# Altium PCB DOAN2.PcbDoc (continued)
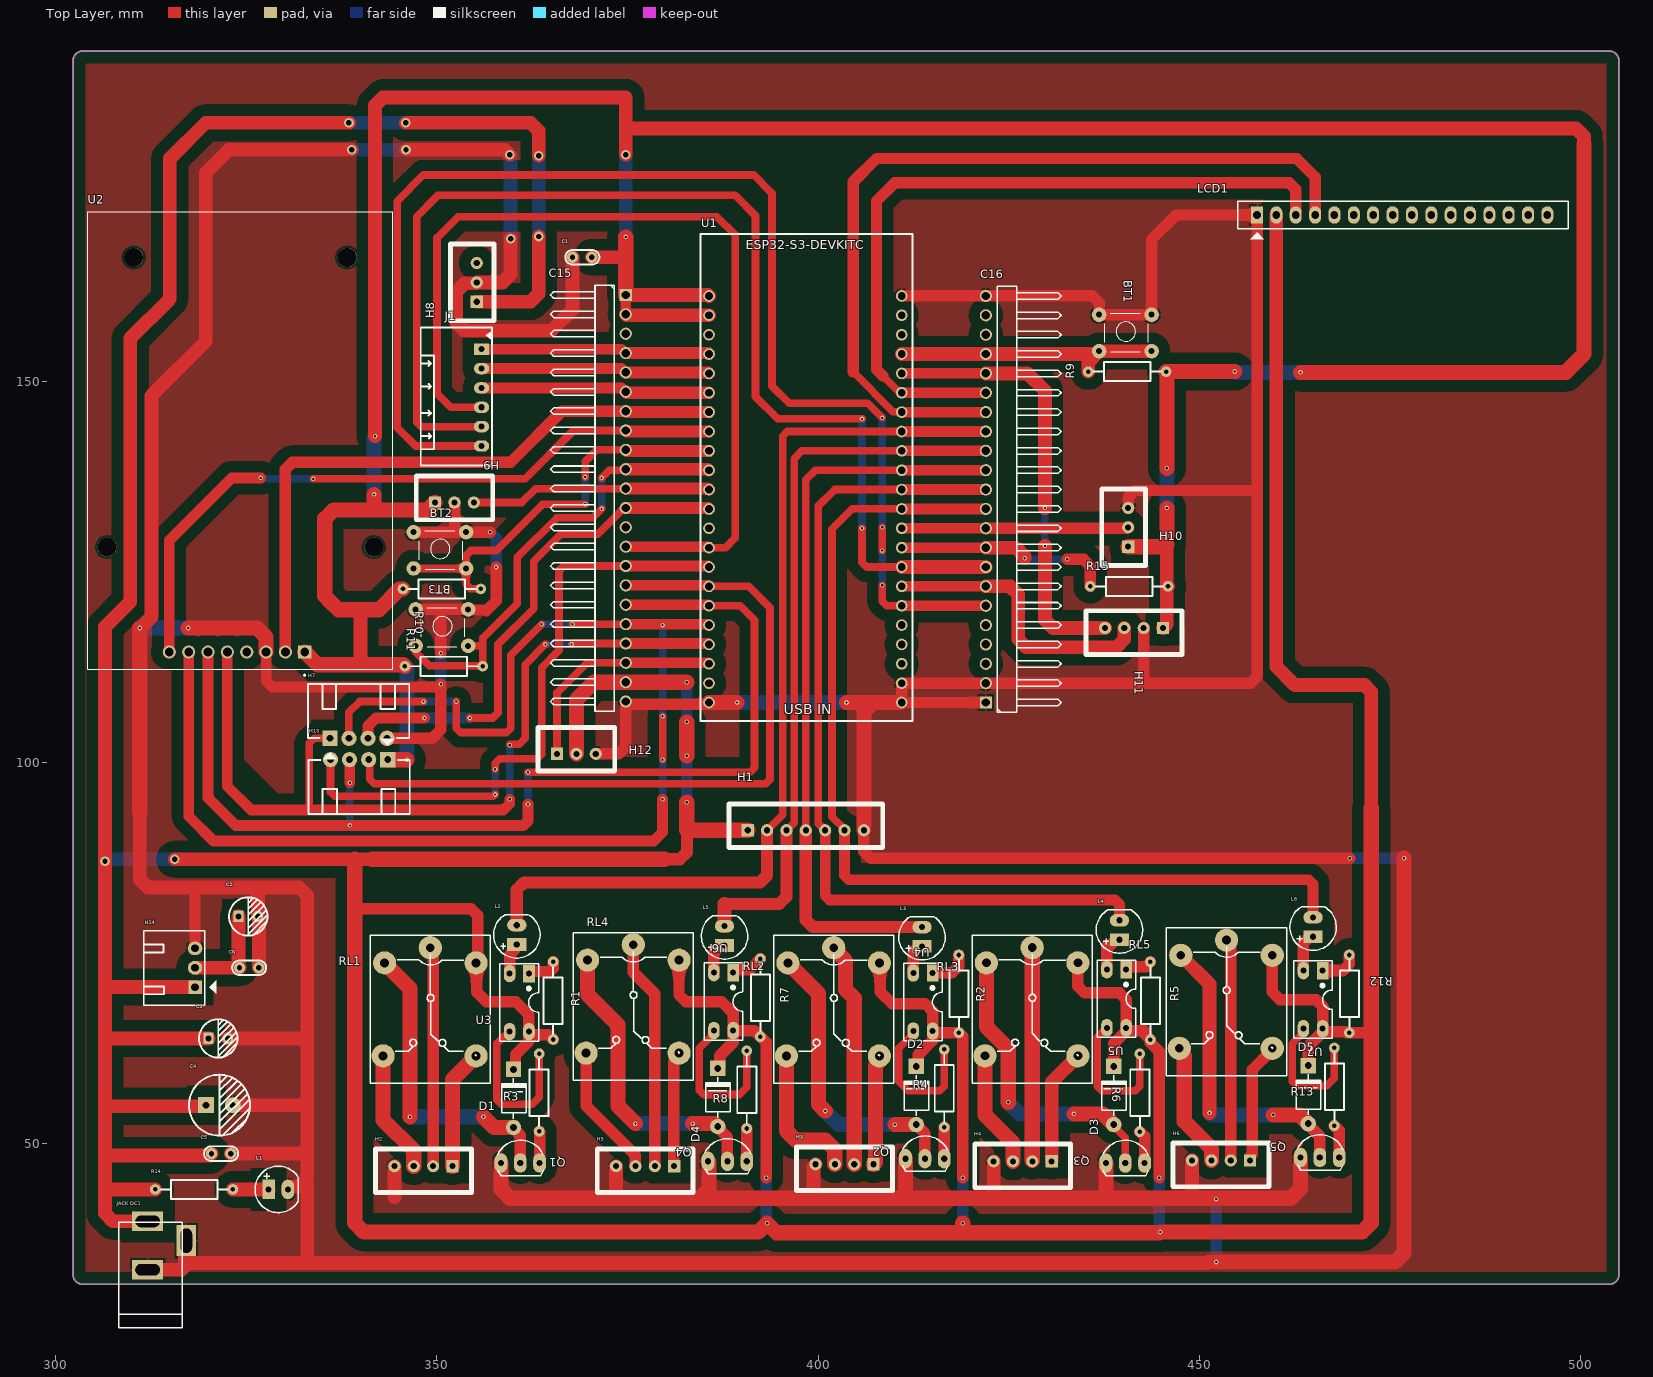
[diagram p0: Top Layer view]
## Part data
BT1 BT2 BT3: "Nut Nhan 4 Chan 6x6mm", Ma_Hang=MH004584, Ten="Nút Nhấn 4 Chân 6x6x5MM DIP"
C1 C5 C6: library part "Tu gom 104 50V", "Cắm", Chung_Loai=Cắm, Don_Vi=Con, Ma_Hang=MH004761, So_Chan=2, Ten_Linh_Kien="Tụ gốm 104 100nF 50V"
C2 C3: library part "Tu Hoa 22uF 35V 5x11", "Cắm", Chung_Loai=Cắm, Don_Vi=Con, Ma_Hang=MH001350, So_Chan=2, Ten_Linh_Kien="Tụ Hóa 22uF 35V 5x11MM"
C4: library part "Tu Hoa 470uF 16V 8x11", "Cắm", Chung_Loai=Cắm, Don_Vi=Con, Ma_Hang=MH006550, So_Chan=2, Ten_Linh_Kien="Tụ Hóa 470uF 16V 8x11MM"
C15 C16: "WR-PHD 2.54 mm Angled Socket Header", Manufacturer="W¨¹rth Elektronik eiSos GmbH", partNo=613022143121, ComponentLink1 Description=Manufacturer, ComponentLink1URL=http://www.we-online.com, ComponentLink2 Description=Datasheet, ComponentLink2URL=http://katalog.we-online.de/em/datasheet/6130xx143121.pdf, Created by="Karrer Zheng", Created Date="29 March 2013", NoPins=22
D1 D2 D3 D4 D5: library part "Diode 1N4007", "Cắm", Chung_Loai=Cắm, Don_Vi=Con, Ma_Hang=MH001063, Ten_Linh_Kien="Diode 1N4007 1A (DIP)"
H1 H2 H3 H4 H5 H6 H7 H8 H9 H10 H11 H12 H13 H14: "Cắm", Chung_Loai=Cắm, Don_Vi=Con
  H1: Ma_Hang=MH003369, Ten_Linh_Kien="Header 7P XH2.54-7P Đực Thẳng"
  H2 H3 H4 H5 H6 H11: Ma_Hang=MH001285, Ten_Linh_Kien="Header 4P XH2.54-4P Đực Thẳng"
  H7 H13: Ma_Hang=MH001310, Ten_Linh_Kien="Header 4P XH2.54-4P Đực Cong"
  H8 H9 H10 H12: Ma_Hang=MH001292, Ten_Linh_Kien="Header 3P XH2.54-3P Đực Thẳng"
  H14: Ma_Hang=MH001302, Ten_Linh_Kien="Header 3P XH2.54-3P Đực Cong"
J1: library part CON-PLG_6X1-100-RA-TH, "6 Pins, 1 Row 2.54mm Pitch, right angle Connector, male", Alternate Part Number-1=NA, Case/Package=TH-CON, Crimp Part Number=ASXHSXH22K51, Manufacturer=JST, Manufacturer Part Number=S6B-XH-A(LF)(SN), Mating Part Number=XHP-6, Supplier Part Number-1=S6B-XH-A(LF)(SN), Supplier-1=ARROW
L1 L2 L3 L4 L5 L6: library part "LED 5mm Do", "Cắm", Chung_Loai=Cắm, Don_Vi=Con, Ma_Hang=MH008967, Ten_Linh_Kien="Led 5MM Phủ Đỏ (1000c)"
LCD1: "LCD 1602 Xanh Lá", CHIP=HD44780, Ma_Hang=67HZ, NCC=NSHOP, Ten="Màn hình LCD 1602 Xanh Lá"
Q1 Q2 Q3 Q4 Q5: library part "Trans C1815 DIP", "NPN transistor"
R1 R2 R3 R4 R5 R6 R7 R8 R12 R13 R14: library part "Tro Vach 1/4W 5% 1k", "Cắm", Chung_Loai=Cắm, Don_Vi=Con, Ma_Hang=MH007390, So_Chan=2, Ten_Linh_Kien="Trở Vạch 1/4w 5% 1k"
R9 R10 R11: library part "Tro Vach 1/4W 1% 360R", "Cắm", Chung_Loai=Cắm, Don_Vi=Con, Ma_Hang=MH008835, So_Chan=2, Ten_Linh_Kien="Trở Vạch 1/4W 1% 360R"
R15: library part "Tro Vach 1/4W 5% 10k", "Căm", Chung_Loai=Cắm, Don_Vi=Con, Ma_Hang=MH007354, So_Chan=2, Ten_Linh_Kien="Trở Vạch 1/4w 5% 10K"
RL1 RL2 RL3 RL4 RL5: library part "Relay 5 Chan SRD", "Relay 5 Chan", Ma_Hang=MH009374, Ten="Relay 5V10A SRD-05VDC-SL-C Chính Hãng"
U1: "The ESP32-S3-DEVKITC-1U-N8R8 from Espressif Systems is an evaluation board designed for wireless communication applications. It features a 32-bit Xtensa dual-core processor running at 240MHz, providing strong processing power for complex tasks. The board", Package=None, Check_prices=https://www.snapeda.com/parts/ESP32-S3-DEVKITC-1U-N8R8/Espressif+Systems/view-part/?ref=eda, MF="Espressif Systems", MP=ESP32-S3-DEVKITC-1U-N8R8, SnapEDA_Link=https://www.snapeda.com/parts/ESP32-S3-DEVKITC-1U-N8R8/Espressif+Systems/view-part/?ref=snap
U2: library part CEG006900, "RFID RC522 Reader IC Card Module Tags SPI Interface Read and Write", Package=None, Availability="Not in stock", Check_prices=https://www.snapeda.com/parts/CEG006900/YKS/view-part/?ref=eda, MF=YKS, MP=CEG006900, Price=None, SnapEDA_Link=https://www.snapeda.com/parts/CEG006900/YKS/view-part/?ref=snap
U3 U4 U5 U6 U7: "Single Opto"

## Via types
v1: diameter 0.6, hole 0.3, Top Layer to Bottom Layer, 76 vias
v2: diameter 1.27, hole 0.711, Top Layer to Bottom Layer, 11 vias

## Nets (pads, with @x,y where several pads share a name; then routed paths per layer and width w, separated by ;. In a path a pad name is that pad's centre, name@x,y a point inside that pad or via, vN(x,y) a via of type N, cw(c..) or ccw(c..) an arc to the next point about the centre after c; other vN are vias at no path point)
3V3: C2.1 C6.1 H14.2 | length 12.4
  Top Layer w1.8: H14.2 C6.1 ; C6.1@323.977,73.152 C2.1
5V: "JACK DC1.1" C3.1 C4.1 C5.1 C15.21 D1.2 D2.2 D3.2 D4.2 D5.2 H1.1 H8.1 H12.2 H14.1 LCD1.2 R1.1 R2.1 R5.1 R7.1 R12.1 R14.2 RL1.5 RL2.5 RL3.5 RL4.5 RL5.5 U3.4 U4.4 U5.4 U6.4 U7.4 | length 965.7
  Top Layer w1.5: 339.217,80.772 354.467,80.772 355.346,79.893 355.346,73.87 RL1.5 355.219,73.565 355.219,69.84 356.479,68.58 360.313,68.58 362.072,66.82 U3.4@362.072,64.638 ; D1.2 360.311,59.956 360.311,61.607 362.072,63.368 U3.4@362.072,64.273 ; U3.4 U3.4@362.072,64.638 ; R1.1 364.602,64.257 362.088,64.257 U3.4@362.072,64.273 ; RL4.5 381.762,69.459 382.641,68.58 387.35,68.58 388.869,67.061 388.869,64.775 U6.4 ; D4.2 387.108,60.083 387.108,61.48 388.869,63.241 388.869,64.765 U6.4 ; v1(393.192,45.466) 393.192,63.226 391.648,64.77 U6.4 ; RL2.5 408.148,73.557 408.148,69.88 409.702,68.326 414.03,68.326 415.031,67.325 415.031,64.724 U4.4 ; D2.2 413.143,60.337 413.143,61.607 415.031,63.495 415.031,64.714 U4.4 ; v1(418.973,45.466) 418.973,64.009 R2.1 415.047,64.496 415.036,64.507 U4.4 ; RL3.5 434.096,70.602 434.974,69.723 439.557,69.723 440.436,68.844 U5.4 440.431,65.146 440.431,64.743 438.785,63.096 D3.2 ; U5.4@440.447,64.765 442.812,64.765 442.812,64.384 R5.1 443.611,63.187 444.754,62.044 v1(444.754,45.466) ; RL5.5 459.593,69.84 460.599,68.834 465.338,68.834 466.217,67.955 U7.4 466.212,65.019 466.212,64.616 464.312,62.715 D5.2 ; U7.4@466.217,64.649 466.228,64.638 469.228,64.638 469.37,64.496 R12.1 472.039,64.496 472.567,65.024 ; U3.4@362.072,64.273 U3.4@362.072,64.638
  Top Layer w1.6: 379.857,87.249 381.867,87.249 382.804,88.186 382.804,91.059
  Top Layer w1.8: 306.705,48.387 320.167,48.387 C5.1 ; 312.039,39.751 307.505,39.751 306.451,40.805 306.451,43.942 ; R14.2 306.451,43.942 ; v2(315.595,87.249) 339.217,87.249 341.503,87.249 ; H14.1 306.451,70.485 ; C4.1 319.565,54.841 306.451,54.841 ; C3.1 306.451,63.754 ; v2(338.455,183.896) 319.659,183.896 314.96,179.197 314.96,160.782 309.753,155.575 309.753,121.031 306.451,117.729 v2(306.451,86.995) 306.451,70.485 ; v2(345.903,183.896) 362.293,183.896 363.347,182.842 v2(363.347,179.578) ; H8.1 362.293,160.401 363.347,161.455 v2(363.347,168.966) ; LCD1.2 460.135,112.508 462.534,110.109 471.688,110.109 472.567,109.23 472.567,93.98 ; 306.451,43.942 306.451,48.387 306.451,54.841 ; 306.451,54.841 306.451,63.754 ; 306.451,63.754 306.451,70.485
  Top Layer w2: 339.217,87.249 339.217,80.772 339.217,79.121 339.217,78.242 339.217,39.526 340.389,38.354 392.176,38.354 v1(393.319,39.497) 394.56,38.256 418.973,38.256 ; 341.503,87.249 379.857,87.249 ; H12.2 368.3,108.204 370.586,110.49 C15.21 v1(382.778,110.49) ; v1(382.778,94.742) 382.778,91.085 382.804,91.059 H1.1 ; v1(382.778,100.838) v1(382.778,105.283) ; v1(418.973,39.497) 418.973,38.256 ; 472.567,93.98 472.567,65.024 472.567,39.526 471.395,38.354 v1(444.881,38.354) 444.783,38.256 418.973,38.256
  Bottom Layer w1.5: v1(382.778,94.742) v1(382.778,100.838) ; v1(382.778,105.283) v1(382.778,110.49) ; v1(393.192,45.466) 393.192,39.624 v1(393.319,39.497) ; v1(418.973,39.497) v1(418.973,45.466) ; v1(444.754,45.466) 444.754,38.481 v1(444.881,38.354)
  Bottom Layer w1.8: v2(306.451,86.995) 306.705,87.249 v2(315.595,87.249) ; v2(338.455,183.896) v2(345.903,183.896) ; v2(363.347,168.966) v2(363.347,179.578)
12V: H8.3
+3V3: C1.1 C15.1 C15.2 H9.1 H10.1 H11.1 H13.1 R9.1 R10.1 R11.1 R15.2 U1.VCC U2.1 | length 486.4
  Top Layer w1: C15.1 374.842,161.225 U1.VCC@385.635,161.225 ; C15.2@374.842,158.685 385.635,158.685 U1.VCC@385.699,158.621
  Top Layer w1.4: C15.2 C15.1
  Top Layer w1.8: 339.972,112.776 339.972,119.589 340.379,119.997 ; v1(341.884,142.748) 341.884,186.144 342.938,187.198 374.777,187.198 374.777,183.134 ; C1.1 374.65,166.243 374.777,166.116 ; C15.2 374.842,158.685 374.906,158.621 U1.VCC@385.699,158.621 ; C15.1 385.57,161.29 385.635,161.225 U1.VCC@385.699,161.161 ; v2(374.777,179.705) 374.777,183.134 ; H11.1 445.77,118.11 445.77,122.916 R15.2 445.77,123.21 445.77,128.27 445.77,129.442 ; 500.507,181.073 500.507,182.08 499.453,183.134 374.777,183.134
  Top Layer w2: U2.1 334.34,112.776 339.972,112.776 345.604,112.776 R11.1 ; v1(341.757,135.128) 341.757,133.096 ; H13.1 v1(346.075,100.33) ; R10.1 345.102,122.725 342.374,119.997 340.379,119.997 337.076,119.997 335.916,121.157 335.28,121.793 335.28,131.924 336.452,133.096 341.757,133.096 ; H9.1 348.783,133.096 341.757,133.096 ; C15.1 374.777,166.116 v1(374.777,168.91) ; H10.1 445.516,128.27 445.77,128.524 ; R9.1 445.681,151.257 v1(454.66,151.257) ; 445.77,129.442 v1(445.77,133.35) ; v1(445.77,138.557) R9.1@445.77,151.132 ; v1(463.296,151.13) 498.094,151.13 500.507,153.543 500.507,181.073
  Bottom Layer w1.8: v1(374.777,168.91) v2(374.777,179.705)
  Bottom Layer w2: v1(341.757,135.128) v1@341.757,142.621 ; R11.1 346.075,112.305 v1(346.075,100.33) ; v1(445.77,133.35) v1(445.77,138.557) ; v1(454.66,151.257) 454.787,151.13 v1(463.296,151.13)
"COM - 1": H2.2 RL1.1 | length 28.8
  Top Layer w1.5: RL1.1 349.13,75.235 349.504,74.861 H2.2@349.504,47.036
"COM - 2": H5.2 RL4.1 | length 30.2
  Top Layer w1.5: RL4.1 375.762,72.426 378.587,69.601 H5.2
"COM - 3": H3.2 RL2.1 | length 29.5
  Top Layer w2: RL2.1 402.051,75.5 403.592,73.959 403.592,70.197 404.749,69.04 H3.2
"COM - 4": H4.2 RL3.1 | length 28.1
  Top Layer w1.5: 428.233,55.383 428.371,55.245
  Top Layer w2: 428.096,55.383 RL3.1 ; H4.2@428.117,47.741 428.117,55.383
"COM - 5": H6.2 RL5.1 | length 29.1
  Top Layer w1.5: RL5.1 453.593,76.239 454.152,75.68 H6.2@454.152,47.798
DENAN: C16.13 H1.4 L3.2 U1.J3_10 | length 97.5
  Top Layer w1: H1.4 398.399,137.033 399.669,138.303 U1.J3_10
  Top Layer w1.4: U1.J3_10 C16.13
  Top Layer w1.6: H1.4 398.399,79.296 399.336,78.359 L3.2@413.605,78.359
DENBAO: C16.11 H1.6 L6.2 U1.J3_12 | length 133.7
  Top Layer w1: H1.6 403.479,91.183 401.828,92.834 401.828,130.556 404.495,133.223 407.864,133.223 407.894,133.253 408.97,133.253 409,133.223 U1.J3_12
  Top Layer w1.4: H1.6 403.479,85.168 404.065,84.582 464.361,84.582 464.947,83.996 L6.2 ; U1.J3_12 C16.11
DENKHACH: C16.12 H1.5 L4.2 U1.J3_11 | length 115.5
  Top Layer w1: H1.5 400.05,91.948 400.05,133.604 402.209,135.763 U1.J3_11
  Top Layer w1.4: H1.5 400.939,82.501 401.525,81.915 438.961,81.915 439.547,81.329 L4.2 ; U1.J3_11 C16.12
DENNGU: C16.14 H1.3 L5.2 U1.J3_9 | length 94.9
  Top Layer w1: H1.3 396.875,92.075 396.875,139.827 397.891,140.843 U1.J3_9
  Top Layer w1.4: U1.J3_9 C16.14
  Top Layer w1.6: 387.731,81.407 394.922,81.407 395.859,82.344 H1.3
  Top Layer w1.8: L5.2 387.731,81.407
DHT11: C16.10 H10.2 U1.J3_13 | length 29.8
  Top Layer w1.4: U1.J3_13 C16.10
  Top Layer w1.5: C16.10 440.536,130.683 440.663,130.81 H10.2
GAS_A0: C16.18 H11.4 U1.J3_5 | length 58.1
  Top Layer w1.4: U1.J3_5 C16.18
  Top Layer w1.8: C16.18 427.482,151.003 429.768,148.717 v1(429.768,133.35) ; v1(429.768,128.397) 429.768,118.656 430.822,117.602 H11.4
  Bottom Layer w1: v1(429.768,128.397) v1(429.768,133.35)
GAS_D0: C16.7 H11.3 U1.J3_16 | length 37.9
  Top Layer w1.4: U1.J3_16 C16.7
  Top Layer w1.8: C16.7 425.207,123.063 426.261,122.009 426.261,116.116 427.316,115.062 439.128,115.062 440.182,116.116 H11.3
GND: "JACK DC1.2" "JACK DC1.3" BT1.1 BT2.1 BT3.1 C1.2 C2.2 C3.2 C4.2 C5.2 C6.2 C15.22 C16.1 C16.2 C16.22 H1.7 H2.4 H3.4 H4.4 H5.4 H6.4 H7.4 H8.2 H9.2 H10.3 H11.2 H12.3 H14.3 L1.2 LCD1.1 Q1.1 Q2.1 Q3.1 Q4.1 Q5.1 U1.GND U2.3 | length 1142.1
  Top Layer w1.4: H14.3 318.262,83.566 ; U2.3 327.586,110.675 328.406,109.855 350.139,109.855 v1(350.52,110.236)
  Top Layer w1.5: H7.4 349.377,103.124 350.52,104.267 v1(350.52,110.236) ; BT2.1@346.939,130.185 352.317,130.185 ; BT3.1@347.218,120.039 350.52,120.039 ; v1(350.52,114.3) 350.52,120.039 ; 351.425,120.039 350.52,120.039 ; 351.738,120.039 354.101,120.039 354.179,119.962 356.415,119.962 356.489,119.888 357.759,121.158 v1(357.759,125.603) ; H9.2 352.317,134.052 352.317,130.185 ; v1(356.997,130.175) 356.987,130.185 352.317,130.185 ; H12.3 373.879,101.092 374.758,101.971 374.758,107.931 C15.22 374.804,107.95 375.185,107.569 385.439,107.569 385.691,107.821 U1.GND@385.699,107.821 ; H1.7 406.019,88.255 406.898,87.376 v1(469.773,87.376) ; U1.GND@410.972,161.163 C16.22 436.001,161.163 436.88,160.284 436.88,158.699 443.763,158.699 443.763,168.554 446.996,171.787 LCD1.1 457.632,171.749 457.632,135.636 ; C16.1 410.972,107.823 410.972,110.363 C16.2 442.341,110.363 ; H10.3 440.69,134.757 441.569,135.636 457.632,135.636 ; H11.2 442.722,110.744 442.341,110.363 ; 442.341,110.363 456.754,110.363 457.632,111.242 457.632,135.636
  Top Layer w1.8: 311.023,93.472 311.023,84.62 312.077,83.566 318.262,83.566 326.517,83.566 ; v1(311.023,117.602) 311.404,117.983 311.493,117.983 312.547,119.037 312.547,148.082 319.659,155.194 319.659,177.292 322.707,180.34 v2(338.836,180.34) ; 312.039,33.401 316.484,33.401 316.946,33.863 316.946,37.038 317.119,37.211 ; 316.946,34.29 333.248,34.29 ; C3.2 332.994,63.754 ; C5.2 332.867,48.641 332.994,48.514 ; C4.2 332.994,54.991 ; C6.2 326.644,79.629 C2.2 326.517,83.566 ; L1.2 330.529,44.017 330.529,44.312 331.865,44.312 332.994,45.441 332.994,63.754 ; 332.13,44.577 332.994,44.577 332.994,34.544 333.248,34.29 ; 344.424,42.926 H2.4 ; v2(345.942,180.34) 358.902,180.34 v2(359.537,179.705) ; v2(359.664,168.656) 359.664,163.995 358.61,162.941 H8.2 355.092,162.814 353.606,162.814 352.552,161.76 352.552,157.645 353.606,156.591 364.998,156.591 367.792,159.385 C1.2 ; 373.253,42.799 373.507,43.053 H5.4 ; 399.415,42.799 399.415,46.99 H3.4 ; 422.783,42.799 423.037,43.053 H4.4 ; 448.691,42.799 449.072,43.18 H6.4 ; v1(452.247,34.417) 451.231,34.417 451.104,34.29 333.248,34.29 ; 326.517,83.566 331.94,83.566 332.994,82.512 332.994,63.754
  Top Layer w2: 311.023,93.472 v1(311.023,117.602) ; v1(317.373,117.602) 326.415,117.602 327.586,116.43 U2.3 ; Q1.1 358.394,43.971 359.566,42.799 373.253,42.799 384.527,42.799 ; Q4.1 385.699,47.498 385.699,43.971 384.527,42.799 ; U1.GND@385.699,107.821 389.38,107.821 v1(389.382,107.823) ; v1(403.733,107.823) 407.191,107.823 ; H1.7 406.019,106.651 407.191,107.823 ; U1.GND@410.972,107.823 407.191,107.823 ; Q2.1 411.48,43.053 411.226,42.799 ; Q3.1 437.769,42.799 ; v1(452.247,34.417) 475.713,34.417 476.885,35.589 v1(476.885,87.376) ; Q5.1 463.296,44.069 462.026,42.799 452.247,42.799 448.691,42.799 437.769,42.799 ; 384.527,42.799 399.415,42.799 411.226,42.799 ; 411.226,42.799 422.783,42.799 437.769,42.799
  Bottom Layer w1.5: v1(350.52,110.236) v1(350.52,114.3) ; v1(356.997,130.175) 357.759,129.413 v1(357.759,125.603) ; v1(452.247,34.417) v1(452.247,42.672) ; v1(469.773,87.376) v1(476.885,87.376)
  Bottom Layer w1.8: v2(338.836,180.34) v2(345.942,180.34) ; v2(359.537,179.705) 359.664,179.578 v2(359.664,168.656)
  Bottom Layer w2: v1(311.023,117.602) v1(317.373,117.602) ; v1(389.382,107.823) v1(403.733,107.823)
GPIO0: C16.9 R15.1 U1.J3_14 | length 28.6
  Top Layer w1.4: U1.J3_14 C16.9
  Top Layer w1.5: v1(432.689,126.619) 434.838,126.619 435.717,125.74 R15.1
  Top Layer w1.8: C16.9 425.958,128.143 427.101,127 v1(427.101,126.746)
  Bottom Layer w1: v1(427.101,126.746) 427.228,126.619 v1(432.689,126.619)
IRSENSOR: C15.11 H9.3 U1.J1_11 | length 31.7
  Top Layer w1: H9.3 361.147,134.071 362.966,135.89 C15.11
  Top Layer w1.6: C15.11 385.57,135.89 U1.J1_11
LCD_SCL: C16.16 LCD1.4 U1.J3_7 | length 112.4
  Top Layer w1: 404.622,151.19 409.829,145.983 410.912,145.983 U1.J3_7
  Top Layer w1.4: U1.J3_7 C16.16
  Top Layer w1.5: 404.622,151.19 404.622,176.149 407.67,179.197 462.788,179.197 465.215,176.77 LCD1.4
LCD_SDA: C16.17 LCD1.3 U1.J3_6 | length 97.1
  Top Layer w1: 408.464,150.717 410.453,148.728 410.564,148.728 410.829,148.463 U1.J3_6
  Top Layer w1.4: U1.J3_6 C16.17
  Top Layer w1.5: 408.464,150.717 407.67,151.511 407.67,173.609 410.083,176.022 461.796,176.022 462.675,175.143 LCD1.3@462.675,172.085
LORA_DIO0: C15.15 H13.4 U1.J1_15 | length 92.9
  Top Layer w1: H13.4 336.042,96.09 336.628,95.504 357.378,95.504 v1(357.632,95.758) ; v1(357.632,99.06) 357.632,99.871 358.218,100.457 363.142,100.457 363.728,101.043 363.728,112.395 366.014,114.681 366.014,125.144 366.6,125.73 C15.15 374.842,125.665 385.599,125.665 385.635,125.665 U1.J1_15
  Top Layer w1.4: C15.15 385.535,125.73 385.599,125.665 385.664,125.601 U1.J1_15
  Bottom Layer w1: v1(357.632,95.758) v1(357.632,99.06)
LORA_NSS: C15.16 H13.2 U1.J1_16 | length 98.3
  Top Layer w1: H13.2 341.209,100.163 341.209,97.741 341.795,97.155 393.114,97.155 393.7,97.741 393.7,120.269 390.908,123.061 U1.J1_16
  Top Layer w1.4: C15.16 385.535,123.19 385.599,123.125 385.664,123.061 U1.J1_16
LORA_RST: C15.12 H7.3 U1.J1_12 | length 67.1
  Top Layer w1: v1(354.33,105.791) 357.3,105.791 358.013,106.504 358.013,115.443 362.712,120.142 362.712,126.365 366.268,129.921 371.094,129.921 374.223,133.05 374.315,133.05 374.615,133.35 C15.12
  Top Layer w1.5: H7.3 340.955,104.735 342.011,105.791 v1(348.361,105.791)
  Top Layer w1.6: C15.12 385.57,133.35 U1.J1_12
  Bottom Layer w1.5: v1(348.361,105.791) v1(354.33,105.791)
MISO: C15.19 H7.1 U1.J1_19 U2.5 | length 124.1
  Top Layer w1: 333.121,93.726 333.248,93.853 333.248,102.489 333.883,103.124 H7.1 ; v1@359.537,102.362 360.807,102.362 361.569,103.124 361.569,112.776 v1(364.236,115.443) ; v1(367.665,115.443) 367.792,115.57 C15.19 374.842,115.505 385.599,115.505 385.635,115.505 U1.J1_19
  Top Layer w1.4: U2.5 322.506,96.848 325.628,93.726 333.121,93.726 358.717,93.726 359.537,94.546 v1(359.537,95.123) ; C15.19 385.535,115.57 385.599,115.505 385.664,115.441 U1.J1_19
  Bottom Layer w1: v1(359.537,95.123) v1(359.537,102.235) ; v1(364.236,115.443) v1(367.665,115.443)
MOSI: C15.17 H13.3 U1.J1_17 U2.6 | length 145
  Top Layer w1: v1(361.95,98.679) 391.082,98.679 391.668,99.265 391.668,118.618 389.765,120.521 U1.J1_17
  Top Layer w1.4: U2.6 319.966,95.324 323.596,91.694 v1(338.582,91.694) 361.364,91.694 361.95,92.28 v1(361.95,94.488) ; H13.3 338.542,97.322 v1(338.582,97.282) ; C15.17 385.535,120.65 385.599,120.585 385.664,120.521 U1.J1_17
  Bottom Layer w1: v1(338.582,91.694) v1(338.582,97.282) ; v1(361.95,94.488) v1(361.95,98.679)
MOTOR_ENA: C15.4 J1.1 U1.J1_4 | length 30.2
  Top Layer w1: C15.4@374.783,153.6 C15.4@374.842,153.605
  Top Layer w1.4: J1.1 374.215,154.178 374.723,153.67 C15.4
  Top Layer w1.6: C15.4 385.57,153.67 U1.J1_4
MOTOR_ENB: C16.6 J1.6 U1.J3_17 | length 172.7
  Top Layer w1: J1.6 347.218,141.478 344.805,143.891 344.805,173.609 348.234,177.038 391.541,177.038 393.954,174.625 393.954,149.352 396.24,147.066 406.527,147.066 v1(408.432,145.161) ; v1(408.432,123.19) 408.432,121.109 409.018,120.523 U1.J3_17 ; v1(408.432,127.762) v1(408.432,130.81)
  Top Layer w1.4: U1.J3_17 C16.6
  Bottom Layer w1: v1(408.432,123.19) v1(408.432,127.762) ; v1(408.432,130.81) v1(408.432,145.161)
MOTOR_IN1: C15.5 J1.2 U1.J1_5 | length 30.1
  Top Layer w1.4: J1.2 374.215,151.638 374.723,151.13 C15.5
  Top Layer w1.6: C15.5 385.57,151.13 U1.J1_5
MOTOR_IN2: C15.6 J1.3 U1.J1_6 | length 30.2
  Top Layer w1.4: J1.3 374.215,149.098 374.723,148.59 C15.6
  Top Layer w1.6: C15.6@374.714,148.653 C15.6 374.906,148.461 U1.J1_6
MOTOR_IN3: C15.14 J1.4 U1.J1_14 | length 134
  Top Layer w1: J1.4 351.79,146.558 350.012,148.336 350.012,168.783 352.806,171.577 386.715,171.577 389.128,169.164 389.128,129.413 387.858,128.143 385.701,128.143 U1.J1_14 385.635,128.205 385.599,128.205 374.842,128.205 C15.14
  Top Layer w1.4: C15.14 385.535,128.27 385.599,128.205 385.664,128.141 U1.J1_14
MOTOR_IN4: C16.8 J1.5 U1.J3_15 | length 156.7
  Top Layer w1: J1.5 347.931,144.018 347.345,144.604 347.345,171.577 350.139,174.371 389.128,174.371 391.795,171.704 391.795,147.955 394.716,145.034 v1(405.765,145.034) ; v1(405.765,130.683) 405.765,126.238 406.4,125.603 U1.J3_15
  Top Layer w1.8: U1.J3_15 C16.8
  Bottom Layer w1: v1(405.765,130.683) v1(405.765,145.034)
"NC - 1": H2.3 RL1.3 | length 16.1
  Top Layer w2: RL1.3 342.938,53.048 346.964,49.022 H2.3
"NC - 2": H5.3 RL4.3 | length 17.5
  Top Layer w1.5: RL4.3 369.57,54.912 376.028,48.454 376.028,47.009 H5.3
"NC - 3": H3.3 RL2.3 | length 19.1
  Top Layer w2: RL2.3 395.859,51.591 397.031,50.419 400.939,50.419 402.209,49.149 H3.3
"NC - 4": H4.3 RL3.3 | length 15.4
  Top Layer w2: RL3.3 421.904,53.711 425.577,50.038 H4.3
"NC - 5": H6.3 RL5.3 | length 16.4
  Top Layer w2: RL5.3 447.401,62.174 448.056,61.519 448.056,52.854 451.612,49.298 H6.3
NetD1_1: D1.1 Q1.2 RL1.4 | length 40.8
  Top Layer w1.5: D1.1 360.045,51.926 360.934,51.037 Q1.2
  Top Layer w2: RL1.4 346.456,70.328 v1(346.456,53.467) ; v1(356.108,53.467) 357.499,52.076 360.039,52.076 D1.1
  Bottom Layer w2: v1(346.456,53.467) v1(356.108,53.467)
NetD2_1: D2.1 Q2.2 RL2.4 | length 39.1
  Top Layer w1.5: D2.1 414.02,51.308 Q2.2
  Top Layer w2: RL2.4 399.034,70.671 400.05,69.655 400.05,55.118 v1(400.939,54.229) ; v1(410.083,52.451) D2.1
  Bottom Layer w2: v1(400.939,54.229) 402.717,52.451 v1(410.083,52.451)
NetD3_1: D3.1 Q3.2 RL3.4 | length 40.2
  Top Layer w1: D3.1 438.785,52.222 440.309,50.698 440.309,47.778 Q3.2
  Top Layer w2: RL3.4 422.096,65.27 424.942,62.423 v1(424.942,55.372) ; v1(433.578,53.848) 437.379,53.848 438.776,52.451 D3.1
  Bottom Layer w2: v1(424.942,55.372) 426.466,53.848 v1(433.578,53.848)
NetD4_1: D4.1 Q4.2 RL4.4 | length 40.1
  Top Layer w1.5: D4.1 386.842,52.053 388.078,50.817 388.078,47.659 Q4.2
  Top Layer w2: RL4.4 369.762,69.531 373.761,65.532 373.761,54.864 v1(376.047,52.578) ; v1(383.54,52.578) 386.452,52.578 386.833,52.197 D4.1
  Bottom Layer w2: v1(376.047,52.578) v1(383.54,52.578)
NetD5_1: D5.1 Q5.2 RL5.4 | length 40.9
  Top Layer w1.5: D5.1 464.312,52.434 465.836,50.91 Q5.2
  Top Layer w1.8: RL5.4 451.358,70.892 v1(451.358,53.975)
  Top Layer w2: v1(459.74,53.721) 463.16,53.721 464.303,52.578 D5.1
  Bottom Layer w2: v1(451.358,53.975) 451.612,53.721 v1(459.74,53.721)
NetL1_1: L1.1 R14.1 | length 4.7
  Top Layer w1.8: R14.1 L1.1
NetL2_1: L2.1 U3.2 | length 4.3
  Top Layer w1.5: U3.2 359.542,72.268 359.542,74.744 360.218,75.42 360.218,75.998 360.293,76.073 L2.1
NetL3_1: L3.1 U4.2 | length 4.2
  Top Layer w1.5: U4.2 412.496,75.12 413.195,75.819 L3.1
NetL4_1: L4.1 U5.2 | length 5.1
  Top Layer w1.5: U5.2 437.896,75.882 438.277,75.882 439.102,76.708 L4.1
NetL5_1: L5.1 U6.2 | length 4.4
  Top Layer w1.5: U6.2 386.339,72.395 386.339,74.998 387.286,75.946 L5.1
NetL6_1: L6.1 U7.2 | length 5.2
  Top Layer w1.5: U7.2 463.677,76.263 464.502,77.089 L6.1
NetQ1_3: Q1.3 R3.2 | length 4.2
  Top Layer w1.5: R3.2 363.474,51.492 Q1.3
NetQ2_3: Q2.3 R4.2 | length 4.1
  Top Layer w1.5: Q2.3 416.56,48.004 R4.2
NetQ3_3: Q3.3 R6.2 | length 4.4
  Top Layer w1.5: R6.2 442.849,50.893 Q3.3
NetQ4_3: Q4.3 R8.2 | length 4.3
  Top Layer w1.5: Q4.3 R8.2
NetQ5_3: Q5.3 R13.2 | length 4.4
  Top Layer w1.5: R13.2 468.376,51.669 Q5.3
NetR1_2: R1.2 U3.1 | length 4.5
  Top Layer w1.5: U3.1 362.077,72.517 362.089,72.529 364.805,72.529 365.252,72.976 R1.2
NetR2_2: R2.2 U4.1 | length 5.3
  Top Layer w1.5: U4.1 415.036,72.39 417.608,72.39 418.486,73.269 R2.2
NetR3_1: R3.1 U3.3 | length 22.1
  Top Layer w1: U3.3 359.537,64.09 359.593,64.035 358.802,64.035 357.848,63.081 357.848,55.704 358.434,55.118 362.517,55.118 363.416,56.017 R3.1
NetR4_1: R4.1 U4.3 | length 18.9
  Top Layer w1: U4.3 412.496,64.389 410.591,62.484 410.591,58.166 411.861,56.896 415.974,56.896 416.56,57.482 R4.1
NetR5_2: R5.2 U5.1 | length 3.8
  Top Layer w1.5: U5.1 440.436,73.152 440.448,73.164 442.99,73.164 R5.2
NetR6_1: R6.1 U5.3 | length 18.7
  Top Layer w1: U5.3 437.896,64.912 437.654,64.67 437.374,64.67 436.626,63.922 436.626,57.482 437.212,56.896 441.628,56.896 442.214,57.482 R6.1
NetR7_2: R7.2 U6.1 | length 4.5
  Top Layer w1.5: U6.1 388.874,72.771 388.886,72.783 391.025,72.783 R7.2
NetR8_1: R8.1 U6.3 | length 20.2
  Top Layer w1: U6.3 386.334,64.389 384.429,62.484 384.429,56.974 385.015,56.388 389.685,56.388 390.652,57.355 R8.1
NetR12_2: R12.2 U7.1 | length 5
  Top Layer w1.5: U7.1 468.836,72.644 469.715,73.523 R12.2
NetR13_1: R13.1 U7.3 | length 17.6
  Top Layer w1: U7.3 463.677,64.501 462.242,63.066 462.242,58.155 462.866,57.531 466.725,57.531 467.741,58.547 R13.1
"NO - 1": H2.1 RL1.2 | length 15.7
  Top Layer w2: H2.1 352.044,58.368 RL1.2
"NO - 2": H5.1 RL4.2 | length 15.1
  Top Layer w1.5: H5.1 381.077,47.04 381.077,60.731 381.762,61.416 RL4.2
"NO - 3": H3.1 RL2.2 | length 14.5
  Top Layer w2: H3.1 407.543,47.498 407.543,60.205 407.85,60.513 407.85,61.254 RL2.2
"NO - 4": H4.1 RL3.2 | length 19
  Top Layer w1.5: H4.1 430.707,47.675 430.707,51.248 430.657,51.298
  Top Layer w1.8: H4.1 430.657,51.298 430.657,58.029 RL3.2
"NO - 5": H6.1 RL5.2 | length 15.9
  Top Layer w1.5: H6.1 456.742,47.802 456.742,48.341 456.946,48.545 456.946,59.624 459.593,62.271 RL5.2
NUT1: BT2.2 C15.9 R10.2 U1.J1_9 | length 53.8
  Top Layer w1: BT2.2@346.939,125.41 BT2.2@353.822,125.41 ; R10.2 354.408,122.725 353.822,123.31 BT2.2@353.822,125.41 ; v1(369.443,133.858) 363.855,133.858 357.759,127.762 354.457,127.762 353.822,127.127 BT2.2@353.822,125.41 ; v1(369.443,137.414) 369.443,139.446 370.967,140.97 C15.9
  Top Layer w1.6: C15.9 374.906,140.841 U1.J1_9
  Bottom Layer w1: v1(369.443,133.858) v1(369.443,137.414)
NUT2: BT3.2 C15.10 R11.2 U1.J1_10 | length 59.8
  Top Layer w1: BT3.2@347.218,114.4 348.969,112.649 R11.2@355.816,112.649 ; BT3.2@354.101,115.264 356.001,115.264 ; R11.2 356.001,116.225 360.553,120.777 360.553,126.873 365.76,132.08 370.459,132.08 v1(371.602,133.223) ; v1(371.602,137.287) 372.63,138.315 374.662,138.315 C15.10
  Top Layer w1.6: C15.10 385.57,138.43 U1.J1_10
  Bottom Layer w1: v1(371.602,133.223) v1(371.602,137.287)
NUTTAT: BT1.2 C16.19 R9.2 U1.J3_4 | length 36.2
  Top Layer w1.8: U1.J3_4 C16.19 436.471,153.543 436.852,153.924 BT1.2@443.763,153.924 ; R9.2 435.463,152.507 BT1.2@436.88,153.924
QUAT: C16.15 H1.2 L2.2 U1.J3_8 | length 123.6
  Top Layer w1: H1.2 395.351,93.091 395.351,142.748 395.986,143.383 U1.J3_8
  Top Layer w1.4: U1.J3_8 C16.15
  Top Layer w1.6: L2.2 360.484,83.264 361.421,84.201 392.382,84.201 393.319,85.138 H1.2
RFID_RST: C15.7 U1.J1_7 U2.2 | length 82.8
  Top Layer w1.5: U2.2 330.126,138.44 331.005,139.319 359.664,139.319 366.376,146.031 374.758,146.031 C15.7
  Top Layer w1.6: C15.7 374.906,145.921 U1.J1_7
RFID_SDA: C15.8 U1.J1_8 U2.8 | length 91.6
  Top Layer w1: v1(333.756,137.16) 333.778,137.182 361.591,137.182 367.919,143.51 C15.8
  Top Layer w1.4: U2.8 314.886,129.085 323.088,137.287 v1(326.898,137.287)
  Top Layer w1.6: C15.8 374.906,143.381 U1.J1_8
  Bottom Layer w1: v1(326.898,137.287) 327.025,137.16 v1(333.756,137.16)
SCK: C15.18 H7.2 U1.J1_18 U2.7 | length 190.2
  Top Layer w1: H7.2 338.455,106.553 339.852,107.95 v1(348.234,107.95) ; v1(352.552,107.95) 352.552,104.472 353.138,103.886 359.078,103.886 359.664,104.472 359.664,114.046 v1(363.728,118.11) ; v1(367.792,118.11) C15.18 374.842,118.045 385.599,118.045 385.635,118.045 U1.J1_18 ; v1(379.603,100.33) v1(379.603,106.019)
  Top Layer w1.4: U2.7 317.426,92.911 320.675,89.662 378.46,89.662 379.603,90.805 v1(379.603,95.123) ; C15.18 385.535,118.11 385.599,118.045 385.664,117.981 U1.J1_18
  Bottom Layer w1: v1(348.234,107.95) v1(352.552,107.95) ; v1(363.728,118.11) v1(367.792,118.11) ; v1(379.603,95.123) v1(379.603,100.33) ; v1(379.603,106.019) v1(379.603,117.983)
SEVOR: C15.20 H12.1 U1.J1_20 | length 40.6
  Top Layer w1: H12.1 365.76,109.093 369.697,113.03 C15.20 374.842,112.965 385.599,112.965 385.635,112.965 U1.J1_20
  Top Layer w1.4: C15.20 385.535,113.03 385.599,112.965 385.664,112.901 U1.J1_20
pads on no net: C15.3 C15.13 C16.3 C16.4 C16.5 C16.20 C16.21 LCD1.5 LCD1.6 LCD1.7 LCD1.8 LCD1.9 LCD1.10 LCD1.11 LCD1.12 LCD1.13 LCD1.14 LCD1.15 LCD1.16 U1.5V U1.J1_3 U1.J1_13 U1.J3_2 U1.J3_3 U1.J3_18 U1.J3_19 U1.J3_20 U2. U2.4

## Polygon pours and split planes (outlines as drawn)
GND on Top Layer "NONET_L-01_P-001" (solid, remove dead copper, pour order 0): 295.783,196.596 294.64,195.453 294.64,30.353 506.349,30.353 506.349,196.088

## Keep-outs
Keep-Out Layer:
  lines w0.254: 302.26,32.766 ccw(c303.53,32.766) 303.53,31.496 503.809,31.496 ccw(c503.809,32.766) 505.079,32.766 505.079,192.024 ccw(c503.809,192.024) 503.809,193.294 329.057,193.294 303.53,193.294 ccw(c303.53,192.024) 302.26,192.024 302.26,32.766

## Text inside footprints (layer, text, board x,y; h text height)
U1: Top Overlay "USB IN" at 395.478,105.819 h2.29; Top Overlay "ESP32-S3-DEVKITC" at 390.525,166.902 h2.03